# Altium PCB 4G.PcbDoc
Units mm, origin at the board's own origin, x right, y up, seen from the top; angles counter-clockwise.
Board outline 35.75 x 48.25 mm, 2 copper layers (Top Layer, Bottom Layer); 38 components, 24 nets, 248 pads, 39 vias.
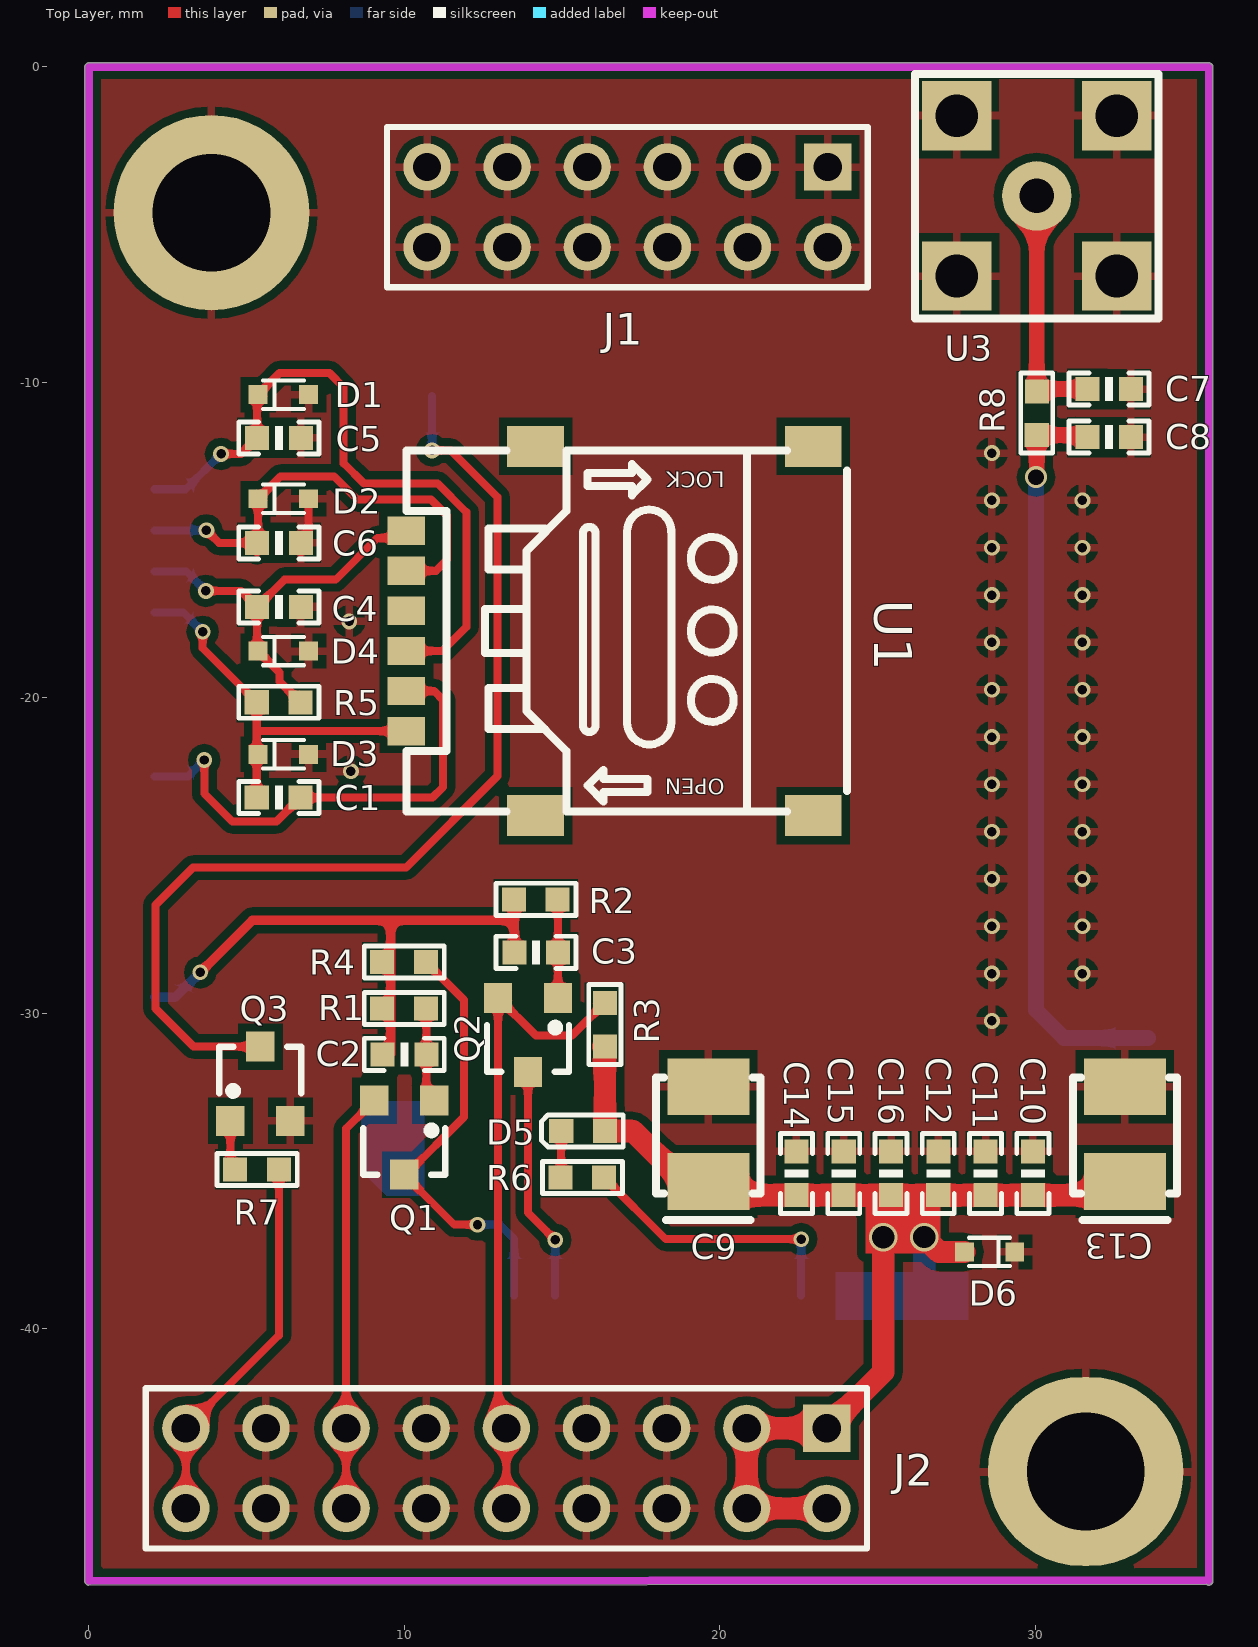
[diagram p0: Top Layer view]
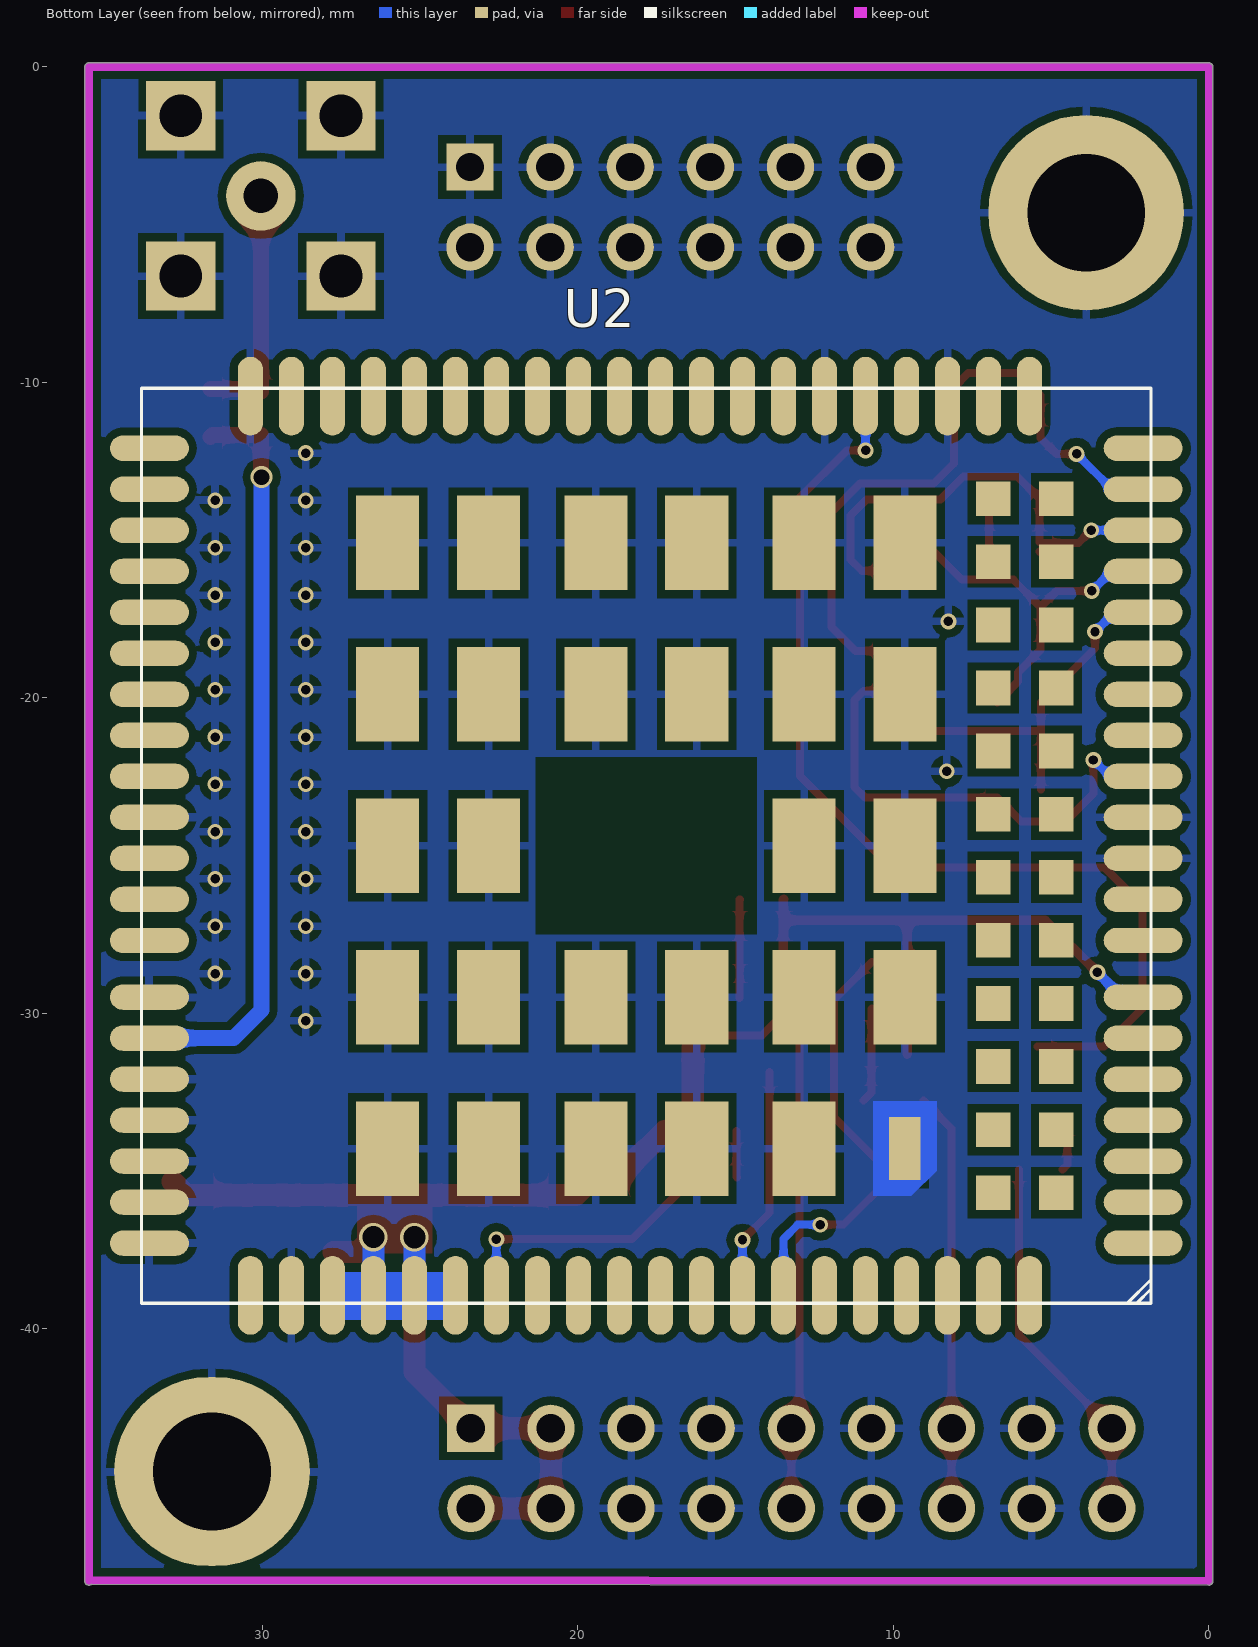
[diagram p1: Bottom Layer view, seen from below]

## Layer stack, top to bottom
Top Solder: solder mask 0.0102, Solder Resist, Dk 3.5
Top Layer: signal copper 0.0356
Dielectric 1: dielectric 0.32, FR-4, Dk 4.8
Bottom Layer: signal copper 0.0356
Bottom Solder: solder mask 0.0102, Solder Resist, Dk 3.5

## Board outline
-0.127,-48 -0.127,0 cw(c0,0) 0,0.127 35.5,0.127 cw(c35.5,0) 35.627,0 35.627,-48 cw(c35.5,-48) 35.419,-48.099 0,-48.127 cw(c0,-48)

## Design rules (kind name [scope] priority, off if disabled: settings)
Clearance [All] p1: gap=0.254
PolygonConnect [All] p1: connectstyle=Relief reliefconductorwidth=0.254 reliefentries=4 polygonreliefangle="90 Angle" airgapwidth=0.254
RoutingVias [All] p1: holewidth=0.3 width=0.5 viastyle="Through Hole" minholewidth=0.3 minwidth=0.5 maxholewidth=1 maxwidth=1.5
SolderMaskExpansion [All] p1: expansion=0.102
Width [All] p1: maxlimit=1 minlimit=0.254 preferedwidth=0.254
30 further rules are at their usual default settings.

## Components (designator, comment, footprint, x,y, rotation, side; value= is the part's Value field where it differs from the comment)
C1 "100NF/50V" 0603_C 6.02,-23.165 r180 top
C2 "1NF/50V" 0603_C 9.997,-31.299 r0 top
C3 "1NF/50V" 0603_C 14.173,-28.067 r0 top
C4 "33PF/50V" 0603_C 6.02,-17.12 r0 top
C5 "33PF/50V" 0603_C 6.02,-11.76 r0 top
C6 "33PF/50V" 0603_C 6.02,-15.088 r0 top
C7 "[NC]" 0603_C 32.334,-10.211 r0 top
C8 "[NC]" 0603_C 32.334,-11.735 r0 top
C9 "100UF/6.3V" CASE-B_3528 19.634,-35.331 r270 top
C10 "100NF/50V" 0603_C 29.921,-35.077 r90 top
C11 "33PF/50V" 0603_C 28.423,-35.077 r90 top
C12 "10PF/50V" 0603_C 26.924,-35.077 r90 top
C13 "100UF/6.3V" CASE-B_3528 32.842,-35.331 r270 top
C14 "100NF/50V" 0603_C 22.428,-35.077 r90 top
C15 "33PF/50V" 0603_C 23.927,-35.077 r90 top
C16 "10PF/50V" 0603_C 25.425,-35.077 r90 top
D1 "PESDNC5D5VB" SOD-523 6.164,-10.389 r0 top
D2 "PESDNC5D5VB" SOD-523 6.164,-13.691 r0 top
D3 "PESDNC5D5VB" SOD-523 6.164,-21.793 r0 top
D4 "PESDNC5D5VB" SOD-523 6.164,-18.517 r0 top
D5 "绿色" 0603_D 15.672,-33.731 r180 top
D6 "PESDNC5D5VB" SOD-523 28.55,-37.567 r180 top
J1 "Header 6X2A" HDR2X6_CEN 23.419,-3.175 r180 top
J2 "Header 9X2A" HDR2X9_CEN 23.393,-43.155 r180 top
Q1 "BC817-40" SOT-23-3 9.997,-33.941 r180 top
Q2 "BC817-40" SOT-23-3 13.919,-30.683 r180 top
Q3 "BC817-40" SOT-23-3 5.436,-32.233 r0 top
R1 "10KΩ/1%" 0603_R 9.997,-29.852 r180 top
R2 "10KΩ/1%" 0603_R 14.173,-26.391 r180 top
R3 "10KΩ/1%" 0603_R 16.358,-30.353 r270 top
R4 "10KΩ/1%" 0603_R 9.997,-28.378 r180 top
R5 "15K" 0603_R 6.02,-20.142 r180 top
R6 "470Ω/1%" 0603_R 15.646,-35.204 r180 top
R7 "4.7KΩ/1%" 0603_R 5.334,-34.95 r180 top
R8 "0Ω" 0603_R 30.048,-10.973 r270 top
U1 "SIM卡座" SIM卡座-NANO掀盖式 16.51,-17.882 r180 top
U2 "EC20 R2.0" EC20_R2.0 17.831,-24.689 r0 bottom
U3 "ANT" SMA-KWE/弯头 27.508,-6.629 r0 top

## Footprints (in the part's own frame and the unit in brackets; to place one, negate y for a bottom-side part, rotate by r counter-clockwise, add the part's x,y. Pads: shape width x height; smd on the part's side, far side on the other; paste and mask are expansions set on the pad)
0603_C [mil] "电容"
  rect 30x30 smd: 1(-27,0) 2(27.5,-0.06)
  silkscreen extent -50,-20 50,20
0603_D [mil] "贴片发光二极管"
  rect 30x30 smd: 1(-27,0) 2(27.5,-0.06)
  silkscreen extent -50,-20 52,20
0603_R [mil] "电阻"
  rect 30x30 smd: 1(-27,0) 2(27.5,-0.06)
  silkscreen extent -50,-20 50,20
CASE-B_3528 [mm]
  rect 1.8x2.6 smd: 1(0,0) 2(-3.002,0)
  silkscreen extent -3.3,-1.65 1.23,1.65
EC20_R2.0 [mm] "移远通信4G模块"
  oval 2.5x0.8 smd: 1(-15.75,12.6) 2(-15.75,11.3) 3(-15.75,10) 4(-15.75,8.7) 5(-15.75,7.4) 6(-15.75,6.1) 7(-15.75,4.8) 8(-15.75,0.4) 9(-15.75,-0.9) 10(-15.75,-2.2) 11(-15.75,-3.5) 12(-15.75,-4.8) 13(-15.75,-6.1) 14(-15.75,-7.4) 15(-15.75,-8.7) 16(-15.75,-10) 17(-15.75,-11.3) 18(-15.75,-12.6) 37(15.75,-12.6) 38(15.75,-11.3) 39(15.75,-10) 40(15.75,-8.7) 41(15.75,-7.4) 42(15.75,-6.1) 43(15.75,-4.8) 44(15.75,-3.5) 45(15.75,-2.2) 46(15.75,-0.9) 47(15.75,0.4) 48(15.75,4.8) 49(15.75,6.1) 50(15.75,7.4) 51(15.75,8.7) 52(15.75,10) 53(15.75,11.3) 54(15.75,12.6) 141(-15.75,3) 142(-15.75,1.7) 143(15.75,1.7) 144(15.75,3)
  oval 0.8x2.5 smd: 19(-9.55,-14.25) 20(-8.25,-14.25) 21(-6.95,-14.25) 22(-5.65,-14.25) 23(-4.35,-14.25) 24(-3.05,-14.25) 25(-1.75,-14.25) 26(-0.45,-14.25) 27(0.85,-14.25) 28(2.15,-14.25) 29(3.45,-14.25) 30(4.75,-14.25) 31(6.05,-14.25) 32(7.35,-14.25) 33(8.65,-14.25) 34(9.95,-14.25) 35(11.25,-14.25) 36(12.55,-14.25) 55(12.55,14.25) 56(11.25,14.25) 57(9.95,14.25) 58(8.65,14.25) 59(7.35,14.25) 60(6.05,14.25) 61(4.75,14.25) 62(3.45,14.25) 63(2.15,14.25) 64(0.85,14.25) 65(-0.45,14.25) 66(-1.75,14.25) 67(-3.05,14.25) 68(-4.35,14.25) 69(-5.65,14.25) 70(-6.95,14.25) 71(-8.25,14.25) 72(-9.55,14.25) 113(-10.85,14.25) 114(-12.15,14.25) 115(-10.85,-14.25) 116(-12.15,-14.25)
  rect 2x3 smd: 85(8.2,9.6) 86(8.2,4.8) 87(8.2,0) 88(8.2,-4.8) 89(8.2,-9.6) 90(5,9.6) 91(5,4.8) 92(5,0) 93(5,-4.8) 94(5,-9.6) 95(1.6,9.6) 96(1.6,4.8) 97(1.6,-4.8) 98(1.6,-9.6) 99(-1.6,9.6) 100(-1.6,4.8) 101(-1.6,-4.8) 102(-1.6,-9.6) 103(-5,9.6) 104(-5,4.8) 105(-5,0) 106(-5,-4.8) 107(-5,-9.6) 109(-8.2,4.8) 110(-8.2,0) 111(-8.2,-4.8) 112(-8.2,-9.6)
  rect 1x2 smd: 108(-8.2,9.6)
  rect 1.1x1.1 smd: 117(-11,11) 118(-11,9) 119(-11,7) 120(-11,5) 121(-11,3) 122(-11,1) 123(-11,-1) 124(-11,-3) 125(-11,-5) 126(-11,-7) 127(-11,-9) 128(-11,-11) 129(-13,11) 130(-13,9) 131(-13,7) 132(-13,5) 133(-13,3) 134(-13,1) 135(-13,-1) 136(-13,-3) 137(-13,-5) 138(-13,-7) 139(-13,-9) 140(-13,-11)
  Top Layer pour cut-out: 3.5,2.8 -3.5,2.8 -3.5,-2.8 3.5,-2.8
  Top Layer region: -9.2,10.3 -8.4,11.1 -7.2,11.1 -7.2,8.1 -9.2,8.1
  silkscreen extent -16,-14.5 16,14.5
HDR2X6_CEN [mm] "Connector; Header; 6x2 Position"
  rect 1.5x1.5 hole 0.9: 1(0,0)
  round 1.5 hole 0.9: 2(2.54,0) 3(5.08,0) 4(7.62,0) 5(10.16,0) 6(12.7,0) 7(0,2.54) 8(2.54,2.54) 9(5.08,2.54) 10(7.62,2.54) 11(10.16,2.54) 12(12.7,2.54)
  silkscreen extent -1.27,-1.27 13.97,3.81
HDR2X9_CEN [mm] "Connector; Header; 9x2 Position"
  rect 1.5x1.5 hole 0.9: 1(0,0)
  round 1.5 hole 0.9: 2(2.54,0) 3(5.08,0) 4(7.62,0) 5(10.16,0) 6(12.7,0) 7(15.24,0) 8(17.78,0) 9(20.32,0) 10(0,2.54) 11(2.54,2.54) 12(5.08,2.54) 13(7.62,2.54) 14(10.16,2.54) 15(12.7,2.54) 16(15.24,2.54) 17(17.78,2.54) 18(20.32,2.54)
  silkscreen extent -1.27,-1.27 21.59,3.81
SIM卡座-NANO掀盖式 [mm]
  rect 1.8x1.3 smd: 0(-6.451,5.853) 0(-6.451,-5.853) 0(2.349,5.853) 0(2.349,-5.853)
  rect 1.2x0.9 smd: 1(6.451,3.173) 2(6.451,0.633) 3(6.451,-1.907) 4(6.451,1.903) 5(6.451,-0.637) 6(6.451,-3.177)
  silkscreen extent -7.52,-5.72 6.45,5.72
SMA-KWE/弯头 [mm] "总长14.5mm/牙长8.5mm"
  rect 2.2x2.2 hole 1.35: 0(0,0) 0(0,5.08) 0(5.08,0) 0(5.08,5.08)
  round 2.2 hole 1.1: 1(2.54,2.54)
  silkscreen extent -1.32,-1.35 6.4,6.4
SOD-523 [mm]
  rect 0.6x0.6 smd: 1(-0.8,0) 2(0.8,0)
  silkscreen extent -0.65,-0.45 0.65,0.45
SOT-23-3 [mm]
  rect 0.9x0.95 smd: 1(-0.95,-1.175) 2(0.95,-1.175) 3(0,1.175)
  silkscreen extent -1.3,-0.35 1.3,1.18

## Part data
C1 C2 C3 C4 C5 C6 C7 C8 C10 C11 C12 C14 C15 C16: library part CAP, "无极性电容"
C9 C13: library part "CAP POLAR", "钽电容"
D1 D2 D3 D4 D6: library part TVS, "TVS 瞬态抑制二极管"
D5: library part LED, "发光二极管"
J1: "Header, 6-Pin, Dual row"
J2: "Header, 9-Pin, Dual row"
Q1 Q2: library part S8050, "NPN"
Q3: "NPN三极管"
R1 R2 R3 R4 R5 R6 R7 R8: library part RES2, "电阻"
U1: "无保护引脚SIM卡座"
U2: "移远通信4G"
U3: "天线座"

## Free pads (board coordinates)
  round 6.2 hole 3.73: 1(3.886,-4.623)
  oval 6.2x6 hole 3.73: 2(31.598,-44.526)

## Via types
v1: diameter 0.5, hole 0.3, Top Layer to Bottom Layer, tented both sides, 36 vias
v2: diameter 0.9, hole 0.7, Top Layer to Bottom Layer, tented both sides, 2 vias
v3: diameter 0.7, hole 0.5, Top Layer to Bottom Layer, tented both sides, 1 vias

## Nets (pads, with @x,y where several pads share a name; then routed paths per layer and width w, separated by ;. In a path a pad name is that pad's centre, name@x,y a point inside that pad or via, vN(x,y) a via of type N, cw(c..) or ccw(c..) an arc to the next point about the centre after c; other vN are vias at no path point)
4G_POWER: J2.9 J2.18 R7.1 | length 12
  Top Layer w0.254: J2.18 J2.9 6.02,-40.208 R7.1
4G_RX: J2.5 J2.14 Q2.2 R3.1 | length 20.6
  Top Layer w0.254: J2.14 J2.5 12.969,-42.89 Q2.2 14.17,-30.709 15.316,-30.709 R3.1
4G_TX: J2.7 J2.16 Q1.2 | length 13.3
  Top Layer w0.254: J2.16 J2.7 8.153,-33.66 Q1.2
ANT_MAIN: C8.1 R8.2 U2.49 | length 23.8
  Top Layer w0.5: v3@30.047,-13.003 R8.2 31.585,-11.671 C8.1
  Bottom Layer w0.5: v3(30.024,-13.006) 30.024,-29.897 30.912,-30.785 33.577,-30.785 U2.49
GND: C4.2 C5.2 C6.2 C7.2 C8.2 C9.2 C10.2 C11.2 C12.2 C13.2 C14.2 C15.2 C16.2 D1.2 D2.2 D3.2 D4.2 D6.1 J1.1 J1.2 J1.3 J1.4 J1.5 J1.6 J1.7 J1.8 J1.9 J1.10 J1.11 J1.12 J2.3 J2.4 J2.6 J2.8 J2.12 J2.13 J2.15 J2.17 pad.1 pad.2 Q3.2 U2.8 U2.9 U2.19 U2.22 U2.36 U2.46 U2.48 U2.50 U2.51 U2.52 U2.53 U2.54 U2.56 U2.72 U2.85 U2.86 U2.87 U2.88 U2.89 U2.90 U2.91 U2.92 U2.93 U2.94 U2.95 U2.96 U2.97 U2.98 U2.99 U2.100 U2.101 U2.102 U2.103 U2.104 U2.105 U2.106 U2.107 U2.108 U2.109 U2.110 U2.111 U2.112 U3.0 | length 1.5
  Top Layer w0.254: C6.2@6.718,-15.394 6.964,-15.148 6.964,-13.995
  other v1: 28.626,-30.243 28.626,-28.743 31.496,-28.743 28.626,-27.243 31.496,-27.243 28.626,-25.743 31.496,-25.743 28.626,-24.243 31.496,-24.243 28.626,-22.743 31.496,-22.743 8.306,-22.327 28.626,-21.243 31.496,-21.243 28.626,-19.743 31.496,-19.743 28.626,-18.243 31.496,-18.243 8.255,-17.577 28.626,-16.743 31.496,-16.743 28.626,-15.243 31.496,-15.243 28.626,-13.743 31.496,-13.743 28.626,-12.243
NET_MODE: U2.5
NET_STATUS: U2.6
NetC2_2: C2.2 Q1.1 R1.1 | length 3
  Top Layer w0.254: R1.1 10.696,-29.864 C2.2 10.696,-32.514 Q1.1
NetC3_2: C3.2 Q2.1 R2.1 | length 3.1
  Top Layer w0.254: R2.1 14.869,-26.401 Q2.1
NetC7_1: C7.1 R8.1 U3.1 | length 7.9
  Top Layer w0.5: U3.1@29.845,-4.089 30.048,-4.293 R8.1 30.124,-10.211 C7.1
NetD5_2: D5.2 R6.2 | length 1.5
  Top Layer w0.254: R6.2 14.973,-35.177 D5.2
NetQ3_1: Q3.1 R7.2 | length 1.6
  Top Layer w0.254: Q3.1 4.486,-34.799 R7.2
PWRKEY: Q3.3 U2.21 | length 32.9
  Top Layer w0.254: Q3.3 3.321,-31.058 2.108,-29.845 2.108,-26.568 3.302,-25.375 10.058,-25.375 12.954,-22.479 12.954,-13.64 11.471,-12.157 v1(10.881,-12.157)
  Bottom Layer w0.254: v1(10.881,-12.157) U2.21
RESET_EN: U2.20
RXD: Q1.3 R4.1 U2.68 | length 14.2
  Top Layer w0.254: R4.1 11.887,-29.582 11.887,-33.29 10.061,-35.116 Q1.3 11.584,-36.703 v1(12.319,-36.703)
  Bottom Layer w0.254: v1(12.319,-36.703) 13.03,-36.703 13.481,-37.154 U2.68
STATUS: R6.1 U2.61 | length 8.8
  Top Layer w0.254: R6.1 18.288,-37.16 v1(22.581,-37.16)
  Bottom Layer w0.254: U2.61 v1(22.581,-37.16)
TXD: Q2.3 U2.67 | length 7.4
  Top Layer w0.254: Q2.3 13.919,-36.322 v1(14.781,-37.184)
  Bottom Layer w0.254: U2.67 v1(14.781,-37.184)
USIM_CLK: C6.1 D2.1 U1.3 U2.16 | length 14.5
  Top Layer w0.254: v1(3.726,-14.689) 4.125,-15.088 C6.1 5.364,-15.057 D2.1 6.076,-12.979 7.772,-12.979 8.509,-13.716 10.846,-13.716 11.354,-14.224 11.354,-15.621 11,-15.975 U1.3 ; C6.1@5.334,-15.392 C6.1@5.364,-15.362
  Bottom Layer w0.254: U2.16 v1(3.726,-14.689)
USIM_DATA: C4.1 D4.1 R5.1 U1.6 U2.15 | length 13
  Top Layer w0.254: v1(3.708,-16.612) 4.826,-16.612 C4.1 ; R5.1 6.045,-19.482 6.045,-19.197 D4.1 5.334,-18.486 C4.1 ; U1.6 9.829,-14.935 9.144,-14.935 7.823,-16.256 6.198,-16.256 C4.1
  Bottom Layer w0.254: U2.15 3.086,-15.989 v1(3.708,-16.612)
USIM_GND: C1.1 U1.4 U2.10 | length 15.3
  Top Layer w0.254: v1(3.658,-21.971) 3.658,-23.038 4.545,-23.925 5.945,-23.925 C1.1 10.897,-23.165 11.227,-22.835 11.227,-20.066 10.946,-19.785 U1.4
  Bottom Layer w0.254: U2.10 3.14,-22.489 v1(3.658,-21.971)
USIM_RST: C5.1 D1.1 U1.2 U2.17 | length 21.3
  Top Layer w0.254: v1(4.191,-12.268) 4.826,-12.268 C5.1 5.334,-10.419 D1.1 6.045,-9.708 7.625,-9.708 8.077,-10.16 8.077,-12.566 8.719,-13.208 11.056,-13.208 11.963,-14.115 11.963,-17.755 11.203,-18.515 U1.2
  Bottom Layer w0.254: U2.17 3.07,-13.389 v1(4.191,-12.268)
USIM_VDD: C1.2 D3.1 R5.2 U1.1 U2.14 | length 12.2
  Top Layer w0.254: v1(3.607,-17.907) 3.607,-18.426 R5.2 C1.2@5.321,-22.909 ; 5.345,-21.055 U1.1
  Bottom Layer w0.254: U2.14 2.989,-17.289 v1(3.607,-17.907)
VBAT_BB: C9.1 C10.1 C11.1 C12.1 C13.1 C14.1 C15.1 C16.1 D5.1 D6.2 J2.1 J2.2 J2.10 J2.11 R3.2 U2.57 U2.58 U2.59 U2.60 | length 39.8
  Top Layer w0.7: R3.2@16.305,-31.051 16.358,-31.104 D5.1 17.247,-33.731 18.847,-35.331 C9.1 20.066,-35.763 C14.1 C15.1 C16.1 C12.1 C11.1 C10.1 32.41,-35.763 C13.1 ; J2.10 J2.11 J2.2 J2.1 25.181,-41.367 v2(25.181,-37.1) ; v2(26.481,-37.098) 26.949,-37.567 D6.2
  Bottom Layer w0.7: U2.59 v2(25.181,-37.1) ; U2.58 v2(26.481,-37.098)
VDD_EXT: C2.1 C3.1 R1.2 R2.2 R4.2 U2.7 | length 18.3
  Top Layer w0.3: v1(3.531,-28.702) 5.182,-27.051 10.008,-27.051 13.487,-27.051 ; C2.1@9.566,-31.299 9.566,-27.051 ; R2.2 13.487,-26.402 C3.1
  Bottom Layer w0.3: U2.7 2.744,-29.489 v1(3.531,-28.702)
pads on no net: U1.0 U1.5 U2.1 U2.2 U2.3 U2.4 U2.11 U2.12 U2.13 U2.18 U2.23 U2.24 U2.25 U2.26 U2.27 U2.28 U2.29 U2.30 U2.31 U2.32 U2.33 U2.34 U2.35 U2.37 U2.38 U2.39 U2.40 U2.41 U2.42 U2.43 U2.44 U2.45 U2.47 U2.55 U2.62 U2.63 U2.64 U2.65 U2.66 U2.69 U2.70 U2.71 U2.113 U2.114 U2.115 U2.116 U2.117 U2.118 U2.119 U2.120 U2.121 U2.122 U2.123 U2.124 U2.125 U2.126 U2.127 U2.128 U2.129 U2.130 U2.131 U2.132 U2.133 U2.134 U2.135 U2.136 U2.137 U2.138 U2.139 U2.140 U2.141 U2.142 U2.143 U2.144

## Polygon pours and split planes (outlines as drawn)
GND on Top Layer "GND" (solid, remove dead copper, pour order 4): 0,0 35.5,0 35.5,-47.971 35.471,-48 0,-48
GND on Bottom Layer "GND" (solid, remove dead copper, pour order 3): 0,0 35.5,0 35.5,-47.971 35.471,-48 0,-48

## Keep-outs
Keep-Out Layer:
  lines w0.254: 35.5,-48 35.5,0 0,0 0,-48 35.5,-47.971

## Other copper
Top Layer:
  rectangle net VBAT_BB: 24.613,-37.617 27,-35.712
Bottom Layer:
  region net VBAT_BB: 27.889,-38.202 23.673,-38.202 23.673,-39.726 27.889,-39.726

## Text inside footprints (layer, text, board x,y; h text height)
U1: Top Overlay "LOCK" at 20.161,-12.832 h0.5 r180; Top Overlay "OPEN" at 20.161,-22.559 h0.5 r180